# Altium PCB MB1936.PcbDoc (part 10 of 13)
Units mm, origin at the board's own origin, x right, y up, seen from the top; angles counter-clockwise.
Board outline 172 x 137 mm, 6 copper layers (Top Layer, Signal Layer 1, Signal Layer 2, Signal Layer 3, Signal Layer 4, Bottom Layer), stack 1.549 mm thick; 859 components, 672 nets, 3477 pads, 2222 vias.
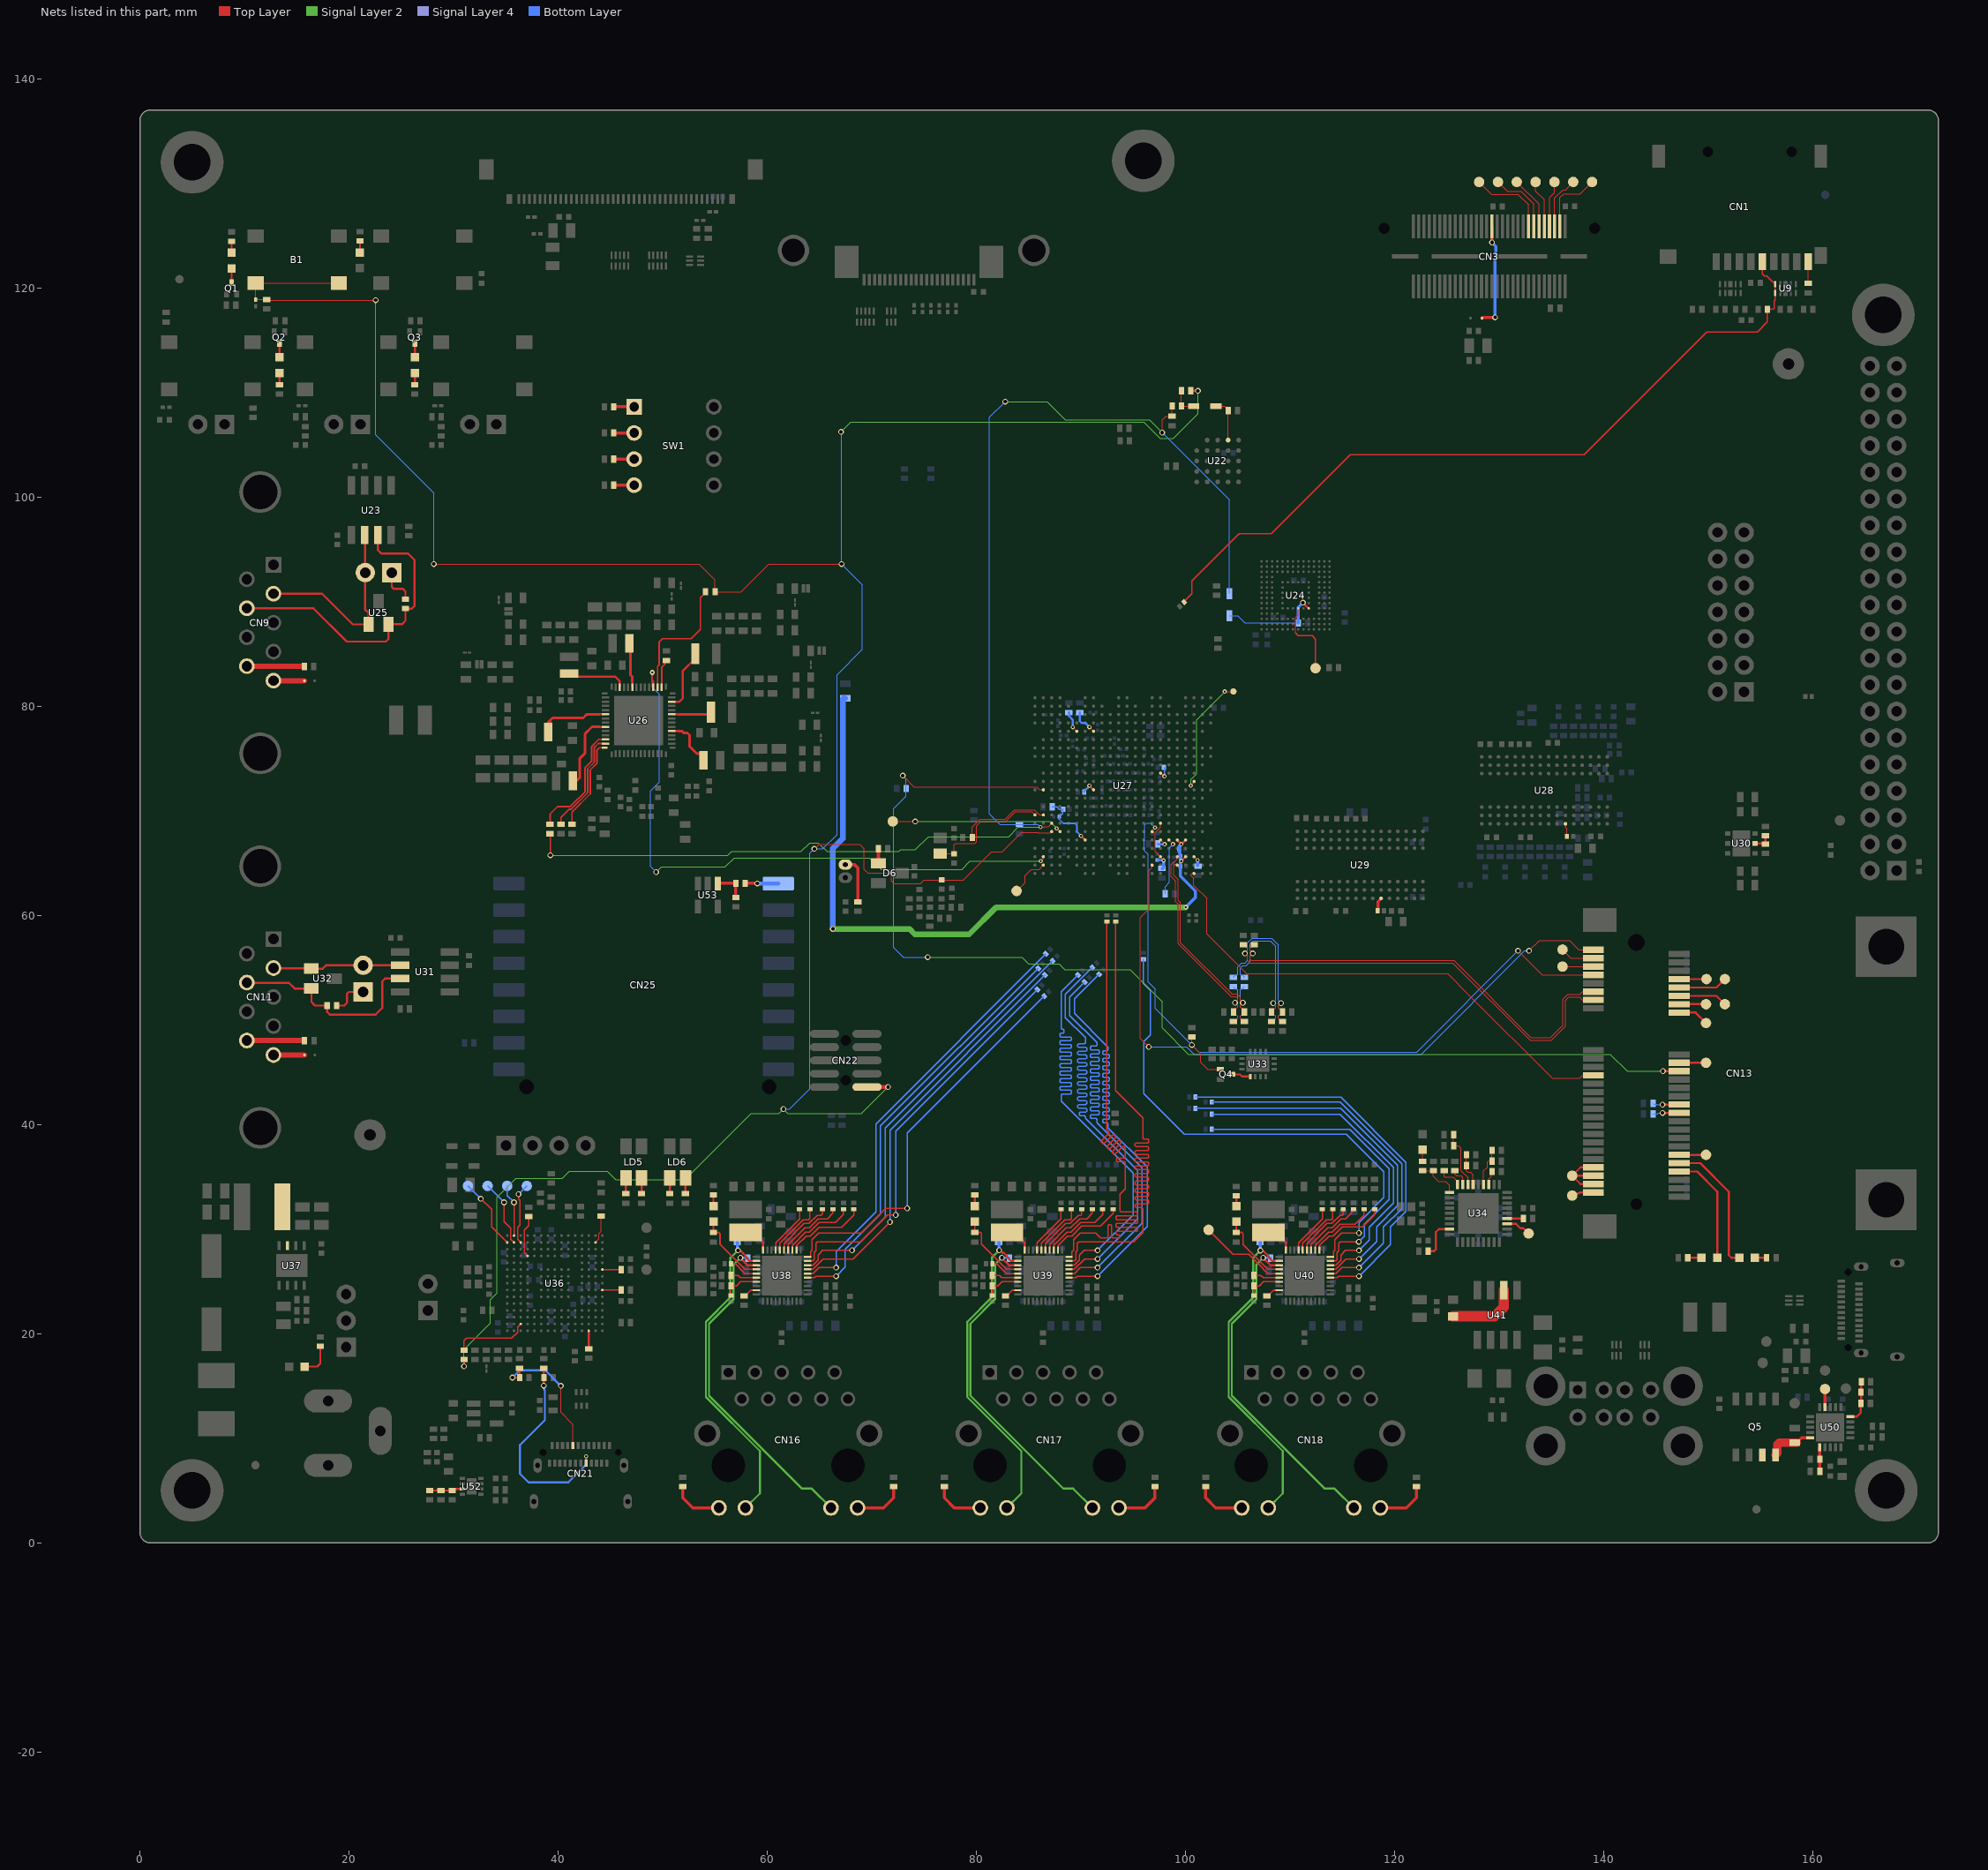
[diagram p14: the nets of this part, all layers, seen from the top]

## Via types
v1: diameter 0.55, hole 0.35, Top Layer to Bottom Layer, 1661 vias
v2: diameter 0.4, hole 0.2, Top Layer to Bottom Layer, tented both sides, 253 vias
v3: diameter 0.5, hole 0.2, Top Layer to Bottom Layer, 157 vias
v4: diameter 0.5, hole 0.25, Top Layer to Bottom Layer, 145 vias
v5: diameter 0.4, hole 0.2, Top Layer to Bottom Layer, 6 vias

## Nets (pads, with @x,y where several pads share a name; then routed paths per layer and width w, separated by ;. In a path a pad name is that pad's centre, name@x,y a point inside that pad or via, vN(x,y) a via of type N, cw(c..) or ccw(c..) an arc to the next point about the centre after c; other vN are vias at no path point) (continued)
NetC225_2: C225.2 U27.M8 | length 1.4
  Top Layer w0.2: v2(90.8,72.4) U27.M8@91.2,72
  Bottom Layer w0.2: C225.2@90.3,71.8 90.3,71.85 90.8,72.35 v2(90.8,72.4)
NetC235_2: C235.2 C244.2 R267.1 U27.V7 | length 5.8
  Top Layer w0.2: v2(90,67.6) U27.V7@90.4,67.2
  Bottom Layer w0.15: R267.1@87.25,70.375 87.675,70.375 87.925,70.125 C235.2@88.238,70.125 ; C235.2@88.3,70.125 88.238,70.063 88.238,69.738 C244.2@87.925,69.425 87.925,69.175 88.3,68.8 89.4,68.8 89.6,68.6 89.6,67.999 v2(90,67.6)
NetC249_2: C249.2 C252.2 C260.2 R249.2 U27.V18 U27.V19 U27.Y19 | length 66.6
  Top Layer w0.2: U27.V18@99.2,67.2 v2(99.6,66.8) ; v2(99.6,65.2) U27.Y19@100,65.6 ; v2(99.6,66.8) U27.V19@100,67.2
  Signal Layer 2 w0.55: v1(66.275,58.7) 73.591,58.7 74.116,58.175 79.3,58.175 81.9,60.775 v2(100.025,60.775)
  Bottom Layer w0.3: v2(99.6,66.8) 99.397,66.597 99.397,66.347 C249.2@99.375,66.325 99.4,66.3 99.4,66.05 99.475,65.975 99.475,65.7 C252.2@99.5,65.675 99.5,65.326 99.6,65.227 v2(99.6,65.2) 99.6,65.173 99.5,65.073 C260.2@99.5,64.675 99.5,63.761 100.95,62.311 100.95,61.7 v2(100.025,60.775)
  Bottom Layer w0.55: v1(66.275,58.7) 66.275,66.4 67.225,67.35 67.225,80.705 67.27,80.75 R249.2@67.45,80.75
NetC251_2: C251.2 R286.2 U27.T16 U27.Y16 | length 5.5
  Top Layer w0.1: U27.T16@97.6,68.8 97.6,68.425 97.1,67.925 97.1,66.1 U27.Y16@97.6,65.6 97.6,65.575 97.906,65.269 v2(97.906,65.243)
  Bottom Layer w0.2: C251.2@97.3,65.3 97.329,65.272 97.878,65.272 v2(97.906,65.243)
  Bottom Layer w0.3: R286.2@97.795,64.475 97.9,64.58 v2@97.9,65.238
NetCN1_5: CN1.5 R13.1 R247.2 U9.1 U9.10 | length 74.7
  Top Layer w0.11: R247.2@99.862,89.962 99.862,89.987 100.621,90.746 100.621,91.996 105.11,96.485 108.185,96.485 115.75,104.05 138.1,104.05 149.825,115.775 154.675,115.775 155.64,116.74 R13.1@155.64,117.95 156.174,117.95 156.275,118.05 156.275,118.735 156.375,118.835 U9.1@156.375,119.52 156.375,120.496 156.33,120.541 156.174,120.541 155.59,121.125 155.35,121.125 155.15,121.325 CN1.5@155.15,122.5
NetCN1_9: CN1.9 R6.2 | length 2.1
  Top Layer w0.1: R6.2@159.55,120.425 CN1.9@159.55,122.5
NetCN3_32: CN3.32 SB1.1 | length 10.2
  Top Layer w0.3: SB1.1@128.35,117.1 128.425,117.175 v1(129.6,117.175) ; v1(129.3,124.34) CN3.32@129.3,125.87
  Bottom Layer w0.3: v1@129.3,124.339 129.675,123.964 129.675,122.783 129.6,122.708 v1(129.6,117.175)
NetCN3_46: CN3.46 TP1.1 | length 7.7
  Top Layer w0.1: TP1.1@128.075,130.125 129.25,128.95 131.8,128.95 132.8,127.95 CN3.46@132.8,125.87
NetCN3_48: CN3.48 TP2.1 | length 6.4
  Top Layer w0.1: TP2.1@129.875,130.125 130.76,129.24 132.06,129.24 133.3,128 CN3.48@133.3,125.87
NetCN3_50: CN3.50 TP3.1 | length 5.1
  Top Layer w0.1: TP3.1@131.675,130.125 133.8,128 CN3.50@133.8,125.87
NetCN3_52: CN3.52 TP4.1 | length 4.6
  Top Layer w0.1: TP4.1@133.475,130.125 133.475,129.245 134.3,128.42 CN3.52@134.3,125.87
NetCN3_54: CN3.54 TP5.1 | length 4.5
  Top Layer w0.1: CN3.54@134.8,125.87 134.8,128.65 135.275,129.125 TP5.1@135.275,130.125
NetCN3_56: CN3.56 TP6.1 | length 5.1
  Top Layer w0.1: CN3.56@135.3,125.87 135.3,128.6 136.075,129.375 136.325,129.375 TP6.1@137.075,130.125
NetCN3_58: CN3.58 TP7.1 | length 6.5
  Top Layer w0.1: CN3.58@135.8,125.87 135.8,128.625 136.15,128.975 137.725,128.975 TP7.1@138.875,130.125
NetCN9_2: CN9.2 JP1.2 U23.6 U25.1 | length 19
  Top Layer w0.2: CN9.2@12.77,90.75 17.425,90.75 20.354,87.821 U25.1@21.859,87.821 ; U23.6@21.549,96.316 21.549,89.226 21.869,88.906 21.869,87.831 U25.1@21.859,87.821 ; U25.1@21.844,87.806 U25.1@21.859,87.821 ; U25.1@21.869,87.821 U25.1@21.859,87.821
NetCN9_5: CN9.5 SB2.2 | length 3
  Top Layer w0.5: CN9.5@12.787,82.425 SB2.2@15.747,82.425
NetCN9_7: CN9.7 R40.1 U23.7 U25.2 | length 30
  Top Layer w0.2: CN9.7@10.23,89.365 16.585,89.365 19.775,86.175 23.525,86.175 23.769,86.419 U25.2@23.769,87.821 ; U23.7@22.764,96.361 22.764,94.921 23.081,94.603 25.621,94.603 26.254,93.971 26.254,89.581 26.004,89.331 25.399,89.331 25.399,88.181 25.049,87.831 U25.2@23.769,87.831
NetCN9_9: CN9.9 R50.2 | length 5.5
  Top Layer w0.2: R50.2@15.737,83.81 R50.2@15.747,83.8
  Top Layer w0.5: CN9.9@10.247,83.81 R50.2@15.737,83.81
NetCN11_2: CN11.2 JP2.2 U31.6 U32.1 | length 12.3
  Top Layer w0.2: CN11.2@12.77,54.925 16.38,54.925 U32.1@16.405,54.9 17.48,54.9 17.8,55.22 JP2.2@21.355,55.22 U31.6@24.89,55.22
NetCN11_5: CN11.5 SB3.2 | length 3
  Top Layer w0.5: CN11.5@12.79,46.65 SB3.2@15.75,46.65
NetCN11_7: CN11.7 R80.1 U31.7 U32.2 | length 19.9
  Top Layer w0.2: CN11.7@10.23,53.54 14.26,53.54 14.8,53 U32.2@16.405,53 16.405,51.72 16.755,51.37 R80.1@17.905,51.37 17.905,50.765 18.155,50.515 22.545,50.515 23.178,51.148 23.178,53.688 23.44,53.95 U31.7@24.89,53.95
NetCN11_9: CN11.9 R86.2 | length 5.5
  Top Layer w0.2: R86.2@15.74,48.035 R86.2@15.75,48.025
  Top Layer w0.5: CN11.9@10.25,48.035 R86.2@15.74,48.035
NetCN12_1: CN12.1 R66.1 | length 4.6
  Top Layer w0.3: CN12.1@67.475,64.85 68.35,64.85 68.675,64.525 R66.1@68.675,61.295
NetCN13_3: CN13.3 TP14.1 | length 3.3
  Top Layer w0.1: TP14.1@136.05,56.725 136.05,56.7 136.85,55.9 CN13.3@139,55.9
NetCN13_5: CN13.5 TP15.1 | length 2.4
  Top Layer w0.1: 136.55,55.1 CN13.5@139,55.1
NetCN13_8: CN13.8 TP16.1 | length 2.6
  Top Layer w0.2: CN13.8@147.243,53.9 TP16.1@149.818,53.9
NetCN13_10: CN13.10 TP17.1 | length 4.7
  Top Layer w0.2: CN13.10@147.2,53.1 150.775,53.1 TP17.1@151.575,53.9
NetCN13_12: CN13.12 TP19.1 | length 4.7
  Top Layer w0.2: CN13.12@147.2,52.3 150.775,52.3 TP19.1@151.575,51.5
NetCN13_14: CN13.14 TP18.1 | length 2.6
  Top Layer w0.2: CN13.14@147.2,51.5 TP18.1@149.775,51.5
NetCN13_16: CN13.16 TP20.1 | length 3
  Top Layer w0.2: CN13.16@147.2,50.7 148.775,50.7 TP20.1@149.775,49.7
NetCN13_20: CN13.20 TP21.1 | length 2.6
  Top Layer w0.2: CN13.20@147.2,45.9 TP21.1@149.775,45.9
NetCN13_30: CN13.30 R290.1 | length 2.6
  Top Layer w0.2: v1(145.614,41.9) CN13.30@147.2,41.9
  Bottom Layer w0.1: R290.1@144.7,42.025 144.791,41.934 145.046,41.934 145.08,41.9 v1(145.614,41.9)
NetCN13_32: CN13.32 R291.1 | length 2.5
  Top Layer w0.2: v1(145.614,41.1) CN13.32@147.2,41.1
  Bottom Layer w0.1: R291.1@144.7,41 145.107,41 145.207,41.1 v1(145.614,41.1)
NetCN13_42: CN13.42 TP23.1 | length 2.6
  Top Layer w0.2: CN13.42@147.2,37.1 TP23.1@149.775,37.1
NetCN13_44: CN13.44 LD10.2 | length 13
  Top Layer w0.2: CN13.44@147.2,36.3 149.225,36.3 151.937,33.587 151.937,27.513 152.2,27.25 LD10.2@152.875,27.25
NetCN13_45: CN13.45 CN13.47 CN13.49 TP24.1 | length 6.7
  Top Layer w0.2: CN13.49@139,34.3 137.775,34.3 TP24.1@136.975,35.1 ; CN13.47@139,35.1 TP24.1@136.975,35.1 ; CN13.45@139,35.9 137.775,35.9 TP24.1@136.975,35.1
NetCN13_46: CN13.46 LED2.2 | length 10.8
  Top Layer w0.2: CN13.46@147.2,35.5 148.921,35.5 150.85,33.571 LED2.2@150.85,27.25
NetCN13_51: CN13.51 TP25.1 | length 2.1
  Top Layer w0.2: TP25.1@136.975,33.2 137.775,33.5 CN13.51@139,33.5
NetCN16_11: CN16.11 R233.1 | length 4.9
  Top Layer w0.3: R233.1@51.925,5.375 51.925,4.3 52.885,3.34 CN16.11@55.37,3.34
NetCN16_12: CN16.12 R319.2 U38.32 | length 31.6
  Top Layer w0.2: v1(57.196,27.965) 57.263,27.898 57.449,27.898 57.961,27.386 57.961,27.289 58.3,26.95 U38.32@58.95,26.95
  Signal Layer 2 w0.2: v1(57.196,27.965) 56.475,27.244 56.475,23.475 54.125,21.125 54.125,13.951 59.3,8.776 59.3,4.73 CN16.12@57.91,3.34
  Bottom Layer w0.3: R319.2@57.125,28.725 57.161,28.689 57.161,28 v1(57.196,27.965)
NetCN16_13: CN16.13 R322.2 U38.33 | length 33.1
  Top Layer w0.2: v1(57.425,27.25) 57.425,27.233 58.108,26.55 U38.33@58.95,26.55
  Signal Layer 2 w0.2: v1(57.425,27.25) 56.775,26.6 56.775,23.297 54.425,20.947 54.425,14.075 63.325,5.175 64.255,5.175 CN16.13@66.09,3.34
  Bottom Layer w0.2: v1(57.425,27.25) 58.1,27.25 R322.2@58.15,27.2
NetCN16_14: CN16.14 R234.2 | length 4.9
  Top Layer w0.3: CN16.14@68.63,3.34 71.115,3.34 72.075,4.3 R234.2@72.075,5.375
NetCN17_11: CN17.11 R235.1 | length 4.9
  Top Layer w0.3: R235.1@76.925,5.375 76.925,4.3 77.885,3.34 CN17.11@80.37,3.34
NetCN17_12: CN17.12 R317.2 U39.32 | length 31.6
  Top Layer w0.2: v1(82.177,27.969) 82.272,27.969 82.516,27.725 82.622,27.725 82.9,27.447 82.9,27.35 83.3,26.95 U39.32@83.95,26.95
  Signal Layer 2 w0.2: v1(82.177,27.969) 81.475,27.267 81.475,23.475 79.125,21.125 79.125,13.951 84.3,8.776 84.3,4.73 CN17.12@82.91,3.34
  Bottom Layer w0.3: R317.2@82.125,28.725 82.151,28.699 82.151,27.995 v1(82.177,27.969)
NetCN17_13: CN17.13 R321.2 U39.33 | length 33.1
  Top Layer w0.2: v1(82.425,27.25) 82.425,27.233 83.108,26.55 U39.33@83.95,26.55
  Signal Layer 2 w0.2: v1(82.425,27.25) 81.775,26.6 81.775,23.297 79.425,20.947 79.425,14.075 88.325,5.175 89.255,5.175 CN17.13@91.09,3.34
  Bottom Layer w0.2: v1(82.425,27.25) 83.1,27.25 R321.2@83.15,27.2
NetCN17_14: CN17.14 R236.2 | length 4.9
  Top Layer w0.3: CN17.14@93.63,3.34 96.115,3.34 97.075,4.3 R236.2@97.075,5.375
NetCN18_11: CN18.11 R237.1 | length 4.9
  Top Layer w0.3: R237.1@101.925,5.375 101.925,4.3 102.885,3.34 CN18.11@105.37,3.34
NetCN18_12: CN18.12 R315.2 U40.32 | length 31.6
  Top Layer w0.2: v1(107.148,27.951) 107.215,27.884 107.463,27.884 107.961,27.386 107.961,27.289 108.3,26.95 U40.32@108.95,26.95
  Signal Layer 2 w0.2: v1(107.148,27.951) 106.475,27.277 106.475,23.475 104.125,21.125 104.125,13.951 109.3,8.776 109.3,4.73 CN18.12@107.91,3.34
  Bottom Layer w0.3: R315.2@107.125,28.725 107.137,28.713 107.137,27.963 v1(107.148,27.951)
NetCN18_13: CN18.13 R320.2 U40.33 | length 33.1
  Top Layer w0.2: v1(107.425,27.25) 107.425,27.233 108.108,26.55 U40.33@108.95,26.55
  Signal Layer 2 w0.2: v1(107.425,27.25) 106.775,26.6 106.775,23.297 104.425,20.947 104.425,14.075 113.325,5.175 114.255,5.175 CN18.13@116.09,3.34
  Bottom Layer w0.2: v1(107.425,27.25) 108.1,27.25 R320.2@108.15,27.2
NetCN18_14: CN18.14 R238.2 | length 4.9
  Top Layer w0.3: CN18.14@118.63,3.34 121.115,3.34 122.075,4.3 R238.2@122.075,5.375
NetCN21_A5: CN21.A5 R217.2 R221.1 | length 13.6
  Top Layer w0.1: v1(40.252,15.008) 40.25,15.006 40.25,12.475 41.25,11.475 ; 41,11.725 41.25,11.475 ; CN21.A5@41.415,9.31 41.415,11.31 41.25,11.475
  Top Layer w0.2: v1(35.63,15.8) R221.1@36.305,15.8 R217.2@36.305,16.7
  Bottom Layer w0.2: v1(35.63,15.8) 36.33,16.5 38.76,16.5 v1(40.252,15.008)
NetCN21_B5: CN21.B5 R218.2 R222.1 | length 19.9
  Top Layer w0.1: CN21.B5@42.665,7.61 v5(42.665,8.27)
  Top Layer w0.2: v1(38.625,15.03) R222.1@38.625,15.8 R218.2@38.625,16.7
  Bottom Layer w0.2: v1(38.625,15.03) 38.652,15.003 38.652,14.644 38.725,14.572 38.725,11.725 36.35,9.35 36.35,6.6 37.175,5.775 40.975,5.775 42.665,7.465 v5(42.665,8.27)
NetCN25_1: CN25.1 R243.1 | length 3.2
  Top Layer w0.3: R243.1@57.887,63.063 59.022,63.063 v1(59.04,63.045)
  Bottom Layer w0.4: v1@59.045,63.04 CN25.1@61.055,63.04
NetD1_1: D1.1 R23.1 U22.A4 | length 4.2
  Top Layer w0.1: D1.1@102.9,108.7 103.736,108.7 104.066,108.37 U22.A4@104.066,105.441
NetD1_2: D1.2 R21.2 R22.2 | length 2.6
  Top Layer w0.1: R21.2@99.609,110.15 R22.2@99.609,108.7 D1.2@100.76,108.7
NetD5_1: D5.1 R248.1 U24.K5 | length 9.8
  Top Layer w0.2: v1(111.225,89.9) U24.K5@111.775,89.35
  Bottom Layer w0.1: D5.1@104.175,88.63 104.995,88.63 105.675,87.95 R248.1@110.775,87.95
  Bottom Layer w0.3: R248.1@110.775,87.95 110.775,89.45 v1(111.225,89.9)
NetD6_1: D6.1 R67.1 | length 1.4
  Top Layer w0.3: D6.1@70.625,64.975 R67.1@70.625,66.375
NetJP1_1: JP1.1 R40.2 | length 3.6
  Top Layer w0.2: JP1.1@24.089,92.781 24.089,91.411 24.269,91.231 25.133,91.231 25.399,90.965 R40.2@25.399,90.231
NetJP2_1: JP2.1 R80.2 | length 3.6
  Top Layer w0.2: R80.2@18.805,51.37 19.539,51.37 19.805,51.636 19.805,52.5 19.985,52.68 JP2.1@21.355,52.68
NetL1_1: L1.1 U26.37 | length 4.2
  Top Layer w0.21: U26.37@47.1,81.797 47.1,82.352
  Top Layer w0.25: L1.1@46.9,85.962 46.9,83 47.1,82.8 47.1,82.352
NetL2_1: L2.1 U26.26 | length 5.7
  Top Layer w0.2: U26.26@51.117,80.427 51.6,80.427 51.925,80.752 51.925,83.387 53.05,84.512 L2.1@53.05,85.027
NetL3_1: L3.1 U26.40 | length 5.9
  Top Layer w0.15: L3.1@40.898,82.989 L3.1@41.05,82.837
  Top Layer w0.21: L3.1@41.05,83.102 41.335,82.817 43.11,82.817 45.465,82.817 45.9,82.382 U26.40@45.9,81.797
NetL4_1: L4.1 U26.23 | length 3.8
  Top Layer w0.15: L4.1@54.56,78.712 L4.1@54.56,79.227
  Top Layer w0.21: U26.23@50.87,79.227 51.425,79.227
  Top Layer w0.25: 51.425,79.227 54.2,79.227
NetL5_1: L5.1 U26.48 | length 7.2
  Top Layer w0.15: L5.1@38.818,77.275 L5.1@39.07,77.527 ; L5.1@39.29,77.412 L5.1@39.29,77.927
  Top Layer w0.21: 43.975,79.227 U26.48@44.53,79.227
  Top Layer w0.25: 39.025,78.427 39.475,78.877 42.4,78.877 42.75,79.227 43.975,79.227 ; L5.1@39.29,77.927 39.29,78.442
NetL6_1: L6.1 U26.19 | length 5.7
  Top Layer w0.15: L6.1@53.63,74.37 L6.1@53.63,74.852 ; L6.1@53.85,74.852 L6.1@54.102,74.599
  Top Layer w0.21: U26.19@50.87,77.627 51.425,77.627
  Top Layer w0.25: 51.425,77.627 51.823,77.627 51.998,77.452 52.35,77.452 52.575,77.227 52.575,76.152 53.271,75.456 53.625,75.456 53.63,75.451 L6.1@53.63,74.852
NetL7_1: L7.1 U26.51 | length 7.4
  Top Layer w0.21: 43.975,78.027 U26.51@44.53,78.027
  Top Layer w0.25: L7.1@41.625,73.252 L7.1@41.625,73.496 ; L7.1@41.675,72.777 42.075,73.177 42.075,75.011 42.55,75.486 42.55,77.33 43.247,78.027 43.975,78.027
NetL8_1: L8.1 U37.7
NetL12_2: L12.2 U41.2 | length 6.8
  Top Layer w1: L12.2@125.575,21.65 129.55,21.65 130.43,22.53 U41.2@130.43,24.15
NetLD1_1: LD1.1 R3.2 | length 0.9
  Top Layer w0.2: LD1.1@21.047,123.55 R3.2@21.047,124.475
NetLD2_1: LD2.1 R20.1 | length 1
  Top Layer w0.2: R20.1@26.287,110.75 LD2.1@26.287,111.7
NetLD2_2: LD2.2 Q3.3 | length 1.2
  Top Layer w0.2: LD2.2@26.287,113.5 Q3.3@26.287,114.7
NetLD3_1: LD3.1 R19.1 | length 1
  Top Layer w0.2: R19.1@13.363,110.75 LD3.1@13.363,111.7
NetLD3_2: LD3.2 Q2.3 | length 1.3
  Top Layer w0.2: LD3.2@13.363,113.35 Q2.3@13.363,114.7
NetLD4_1: LD4.1 R4.2 | length 1.1
  Top Layer w0.2: LD4.1@8.773,123.35 R4.2@8.773,124.45
NetLD4_2: LD4.2 Q1.3 | length 1.2
  Top Layer w0.2: Q1.3@8.773,120.5 LD4.2@8.773,121.7
NetLD5_1: LD5.1 R131.1 | length 1.5
  Top Layer w0.2: R131.1@47.975,33.375 LD5.1@47.975,34.9
NetLD5_2: LD5.2 R130.2 | length 1.5
  Top Layer w0.2: R130.2@46.475,33.375 LD5.2@46.475,34.9
NetLD6_1: LD6.1 R133.1 | length 1.5
  Top Layer w0.2: R133.1@52.175,33.375 LD6.1@52.175,34.9
NetLD6_2: LD6.2 R132.1 | length 1.5
  Top Layer w0.2: R132.1@50.675,33.375 LD6.2@50.675,34.9
NetLD7_1: LD7.1 R158.2 U38.34 | length 7.2
  Top Layer w0.15: LD7.1@54.85,30.695 R158.2@54.85,29.67 55.382,29.67 55.47,29.582 55.47,28.555 57.875,26.15 U38.34@58.95,26.15
NetLD7_2: LD7.2 R126.1 | length 1.1
  Top Layer w0.2: LD7.2@54.85,32.195 R126.1@54.85,33.27
NetLD8_1: LD8.1 R159.2 U39.34 | length 7.2
  Top Layer w0.15: LD8.1@79.85,30.695 R159.2@79.85,29.67 80.382,29.67 80.47,29.582 80.47,28.555 82.875,26.15 U39.34@83.95,26.15
NetLD8_2: LD8.2 R127.1 | length 0.9
  Top Layer w0.2: LD8.2@79.85,32.325 R127.1@79.85,33.27
NetLD9_1: LD9.1 R160.2 U40.34 | length 7.2
  Top Layer w0.15: LD9.1@104.85,30.695 R160.2@104.85,29.67 105.38,29.67 105.5,29.55 105.5,28.525 107.875,26.15 U40.34@108.95,26.15
NetLD9_2: LD9.2 R128.1 | length 0.8
  Top Layer w0.2: LD9.2@104.85,32.375 R128.1@104.85,33.17
NetLD10_1: LD10.1 R172.2 | length 1.1
  Top Layer w0.2: LD10.1@154.525,27.25 R172.2@155.575,27.25
NetLD11_1: LD11.1 R210.1 | length 3.2
  Top Layer w0.2: LD11.1@15.775,16.85 16.95,16.85 17.25,17.15 R210.1@17.25,18.8
NetLD12_1: LD12.1 R101.1 | length 1.1
  Top Layer w0.1: R101.1@122.675,36.475 LD12.1@122.675,37.575
NetLE1_1: LE1.1 U38.30 | length 2.8
  Top Layer w0.2: LE1.1@57.925,29.675 58.675,28.925 59.375,28.925 59.6,28.7 U38.30@59.6,28
NetLE2_1: LE2.1 U39.30 | length 2.8
  Top Layer w0.2: LE2.1@82.925,29.675 83.675,28.925 84.375,28.925 84.6,28.7 U39.30@84.6,28
NetLE3_1: LE3.1 U40.30 | length 2.8
  Top Layer w0.2: LE3.1@107.925,29.675 108.675,28.925 109.375,28.925 109.6,28.7 U40.30@109.6,28
NetLED2_1: LED2.1 R171.1 | length 1.3
  Top Layer w0.2: R171.1@148.025,27.25 LED2.1@149.3,27.25
NetQ4_3: Q4.3 U33.1 | length 1.8
  Top Layer w0.2: Q4.3@104.425,44.79 105.2,44.79 105.4,44.59 U33.1@106.175,44.59
NetQ5_7: Q5.7 Q5.8 R225.2 U50.10 | length 4.5
  Top Layer w0.3: R225.2@158.43,9.575 158.905,10.05 U50.10@159.725,10.05
  Top Layer w0.8: Q5.8@156.425,8.4 156.6,8.575 156.6,9.399 156.776,9.575 R225.2@158.43,9.575
NetR38_2: R38.2 U26.31 | length 12.7
  Top Layer w0.15: U26.31@49.5,81.797 49.5,83.8 49.65,83.95 49.65,86.125 49.975,86.45 52.725,86.45 53.6,87.325 53.6,90.357 53.918,90.675 53.92,90.675 54.1,90.855 R38.2@54.1,90.95
NetR46_2: R46.2 U26.30 | length 2.8
  Top Layer w0.15: U26.30@49.9,81.797 49.9,83.697 50.232,84.029 50.232,84.257 R46.2@50.35,84.375
NetR59_2: R59.2 U26.54 | length 11.4
  Top Layer w0.15: R59.2@39.225,68.7 39.225,69.675 39.95,70.4 41.15,70.4 42.575,71.825 42.575,74.125 43.212,74.762 43.212,76.162 43.877,76.827 U26.54@44.53,76.827
NetR60_2: R60.2 U26.55 | length 10
  Top Layer w0.15: R60.2@40.275,68.7 40.275,69.353 41.072,70.15 41.254,70.15 42.825,71.721 42.825,74.021 43.462,74.659 43.462,76.059 43.831,76.427 U26.55@44.53,76.427
NetR61_2: R61.2 U26.56 | length 8.9
  Top Layer w0.15: R61.2@41.325,68.7 41.325,69.868 43.075,71.618 43.075,73.918 43.712,74.555 43.712,75.812 43.927,76.027 U26.56@44.455,76.027
NetR62_2: R62.2 R65.1 U30.5 | length 1.7
  Top Layer w0.2: U30.5@154.455,66.875 155.405,66.875 155.455,66.925 R62.2@155.455,67.6
NetR63_2: R63.2 U28.F9 | length 1.3
  Top Layer w0.09: U28.F9@136.325,68.75 136.325,68.4 136.475,68.25 R63.2@136.475,67.55
NetR68_1: R68.1 SW1.1 | length 1.9
  Top Layer w0.3: R68.1@45.325,108.625 SW1.1@47.265,108.625
NetR71_1: R71.1 SW1.2 | length 1.9
  Top Layer w0.3: R71.1@45.325,106.125 SW1.2@47.265,106.125
NetR73_2: R73.2 U29.F9 | length 1.3
  Top Layer w0.3: R73.2@118.375,60.425 118.375,60.475 118.418,60.517 118.418,61.317 118.7,61.599 U29.F9@118.7,61.625
NetR76_1: R76.1 SW1.3 | length 1.9
  Top Layer w0.3: R76.1@45.325,103.625 SW1.3@47.265,103.625
NetR79_1: R79.1 SW1.4 | length 1.9
  Top Layer w0.3: R79.1@45.325,101.125 SW1.4@47.265,101.125
NetR95_2: R95.2 R97.1 U34.25 | length 5.6
  Top Layer w0.1: R95.2@125.625,39.025 R97.1@125.625,37.975 126.1,37.975 126.35,37.725 126.35,35.575 127,34.925 U34.25@127,34.25
NetR98_2: R98.2 R100.1 U34.22 | length 3.8
  Top Layer w0.1: U34.22@128.5,34.25 128.5,35.554 128.85,35.904 128.85,36.4 128.95,36.5 R100.1@129.3,36.5 R98.2@129.3,37.525
NetR99_1: R99.1 R105.2 U34.24 | length 3.3
  Top Layer w0.1: R99.1@126.85,37.105 R105.2@126.85,36.08 126.85,35.584 127,35.434 127.256,35.434 127.495,35.195 127.495,34.255 U34.24@127.5,34.25
NetR101_2: R101.2 R102.2 U34.28 | length 4.1
  Top Layer w0.1: R101.2@122.675,35.575 R102.2@123.7,35.575 123.7,35.05 124.2,34.55 124.884,34.55 125.25,34.184 U34.28@125.25,33.5
NetR103_1: R103.1 U34.27 | length 2.3
  Top Layer w0.1: R103.1@124.725,35.575 124.725,35.034 124.784,34.975 125.575,34.975 126,34.55 U34.27@126,34.25
NetR104_2: R104.2 U34.26 | length 1.9
  Top Layer w0.1: R104.2@125.75,35.575 125.75,35.25 125.9,35.1 126.341,35.1 126.5,34.941 U34.26@126.5,34.25
NetR106_1: R106.1 U34.21 | length 1.4
  Top Layer w0.1: U34.21@129,34.25 129,34.825 129.234,35.059 129.234,35.434 R106.1@129.3,35.5
NetR135_2: R135.2 U38.27 | length 4.8
  Top Layer w0.11: U38.27@60.8,28 60.8,28.675 63.075,30.95 R135.2@63.075,31.9
NetR136_2: R136.2 U38.26 | length 5.4
  Top Layer w0.11: U38.26@61.2,28 61.2,28.65 63.45,30.9 63.95,30.9 64.075,31.025 R136.2@64.075,31.9
NetR137_2: R137.2 U38.25 | length 5.9
  Top Layer w0.11: U38.25@61.6,28 61.6,28.6 63.525,30.525 63.975,30.525 64.775,31.325 65.125,31.325 65.275,31.475 ; 65.275,31.5 65.275,31.475 ; R137.2@65.275,31.9 65.275,31.475